# KiCad board bumwings_v001_xiao_s.kicad_pcb
title: BumWings_001; date: 2022-10-12; rev: v0.5; company: tubby.twins a.k.a. mschnoor
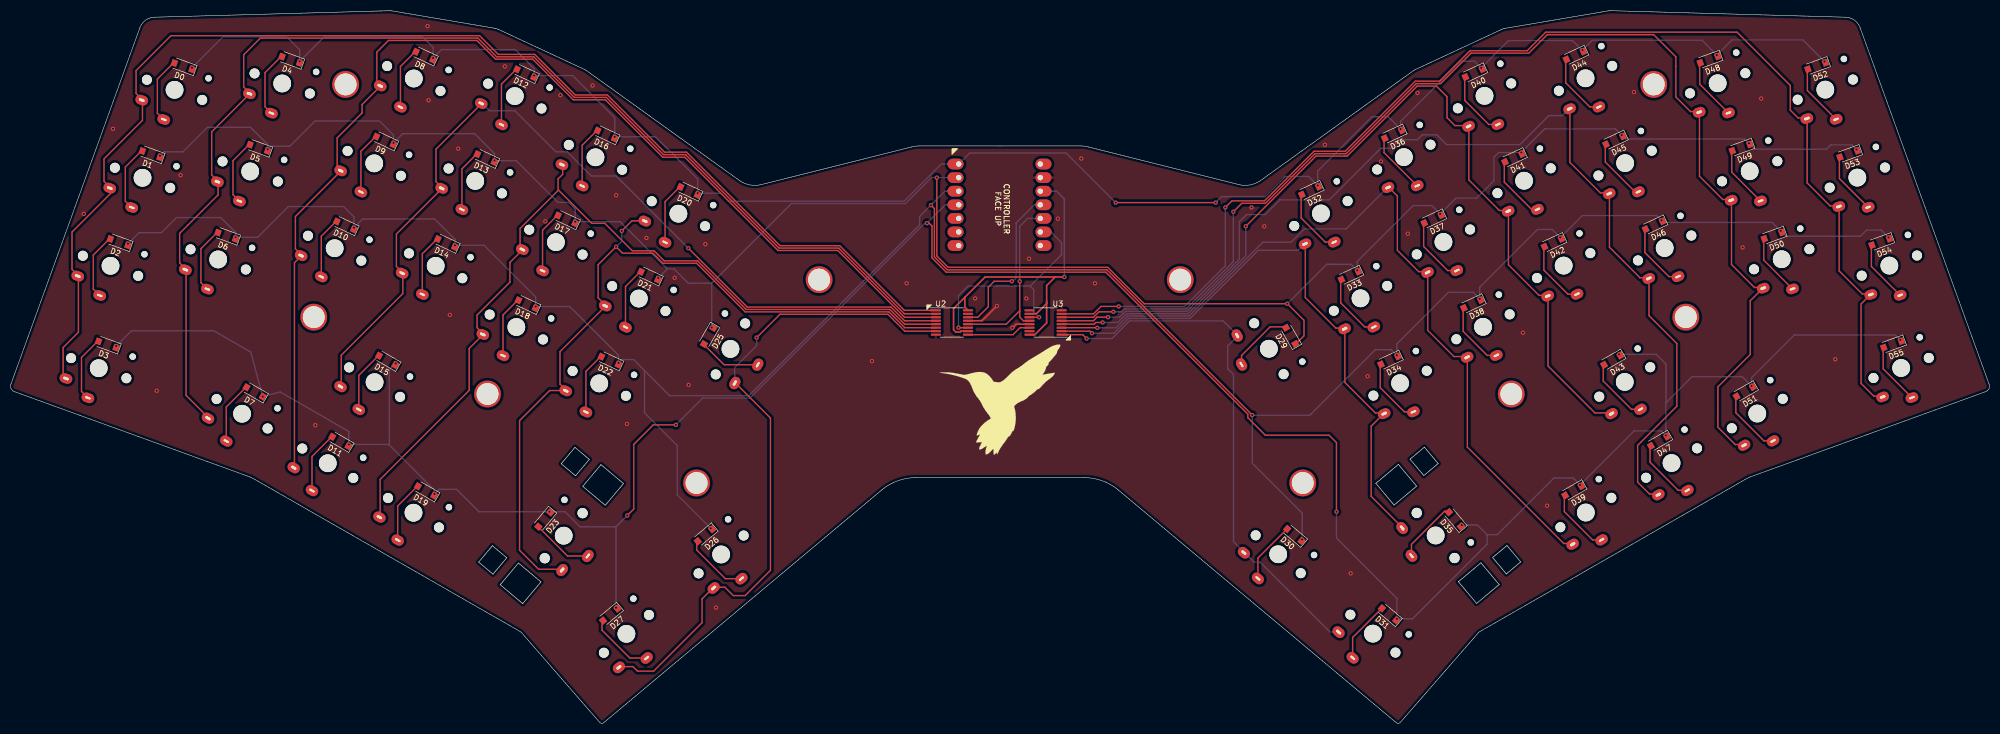
[diagram p0: board, top side]
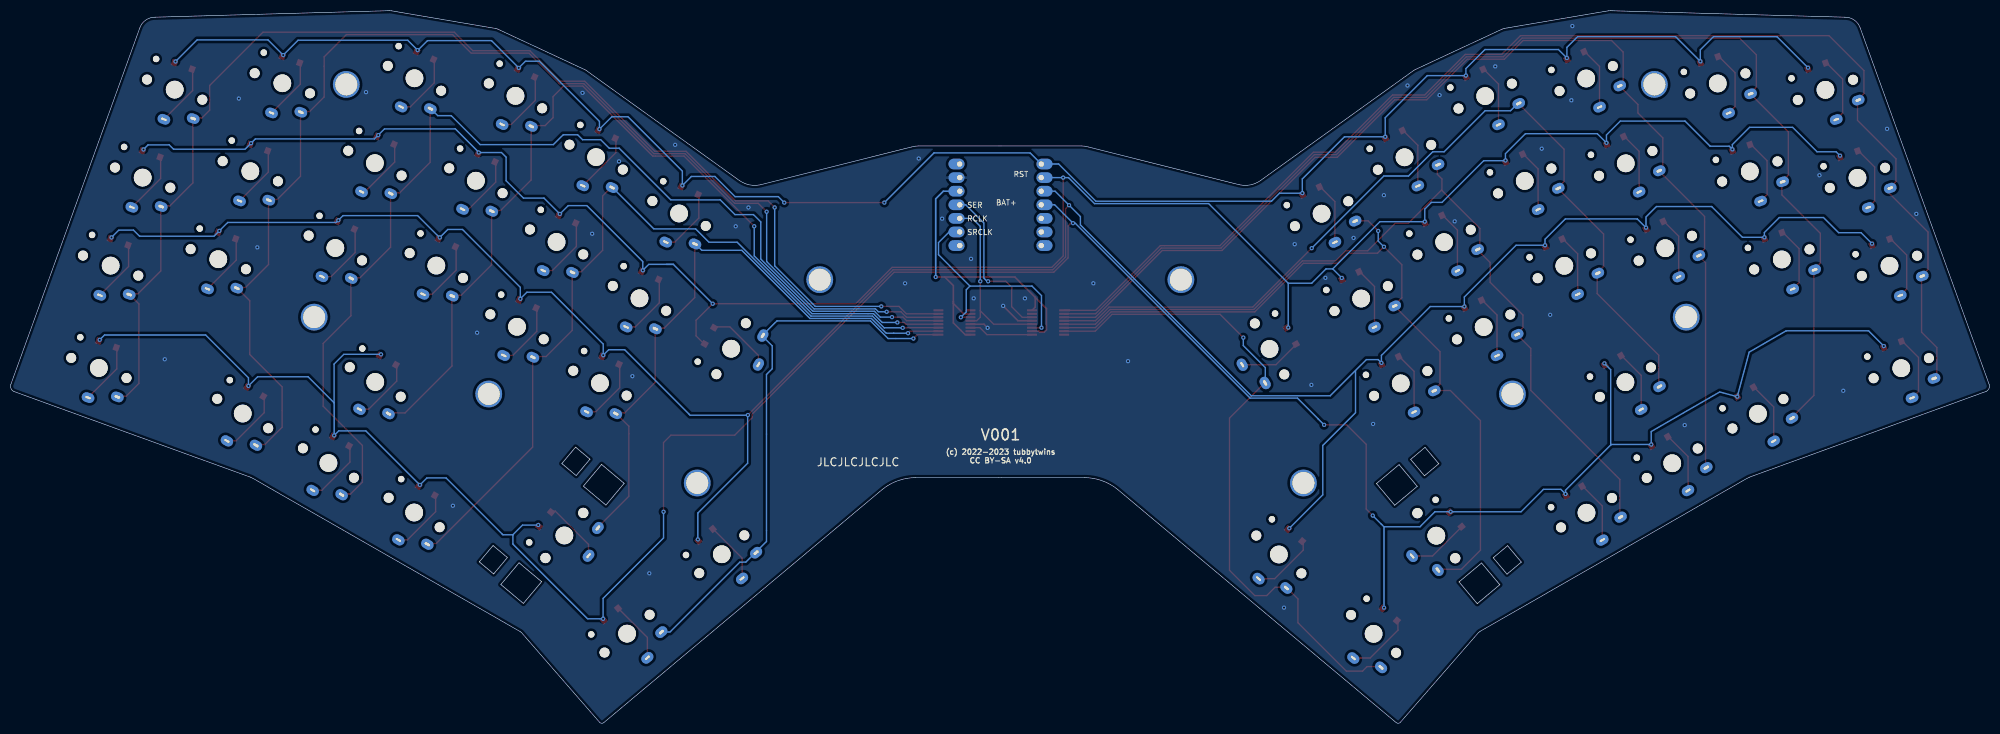
[diagram p1: board, bottom side, seen from below]

Outline 369.82 x 133.19 mm; copper layers: Top, Bottom. Coordinates in mm from the lower left corner of the outline.
Outline path: 0.61,62.02 arc(0.08,62.54) 0,63.27 24.13,129.97 arc(25.23,131.44) 26.99,131.98 70.81,133.19 arc(71,133.19) 71.18,133.17 90.57,129.89 arc(90.82,129.83) 91.07,129.74 107.3,122.18 arc(107.42,122.13) 107.53,122.06 136.25,101.42 arc(138.13,100.63) 140.17,100.66 168.37,107.72 arc(169.04,107.86) 169.72,107.92 184.72,107.92 185.1,107.92 200.1,107.92 arc(200.78,107.86) 201.45,107.72 229.65,100.66 arc(231.69,100.63) 233.57,101.42 262.29,122.06 arc(262.4,122.13) 262.52,122.18 278.75,129.74 arc(278.99,129.83) 279.25,129.89 298.64,133.17 arc(298.82,133.19) 299.01,133.19 342.83,131.98 arc(344.58,131.44) 345.69,129.97 369.82,63.27 arc(369.74,62.53) 369.21,62.02 325.04,46.02 arc(324.79,45.92) 324.55,45.79 274.61,17.16 arc(274.47,17.07) 274.35,16.96 259.75,0.19 arc(259.36,0) 258.95,0.14 206.94,43.68 arc(203.99,45.34) 200.66,45.92 185.1,45.92 184.72,45.92 169.16,45.92 arc(165.83,45.34) 162.88,43.68 110.87,0.14 arc(110.46,0) 110.07,0.19 95.47,16.96 arc(95.35,17.07) 95.21,17.16 45.27,45.79 arc(45.03,45.92) 44.78,46.02 0.61,62.02
Stack: Top 0.035mm / dielectric 1.51mm FR4 er 4.5 / Bottom 0.035mm

## Placement (name value [footprint] x y rotation side)
D0  D  [Diode_D_SOD-123]  32.23 122.82 160 top
D1  D  [Diode_D_SOD-123]  26.25 106.37 160 top
D2  D  [Diode_D_SOD-123]  20.26 89.93 160 top
D3  D  [Diode_D_SOD-123]  18.06 70.79 160 top
D4  D  [Diode_D_SOD-123]  52.35 124.01 160 top
D5  D  [Diode_D_SOD-123]  46.37 107.56 160 top
D6  D  [Diode_D_SOD-123]  40.38 91.12 160 top
D7  D  [Diode_D_SOD-123]  45.59 61.93 150 top
D8  D  [Diode_D_SOD-123]  77.33 124.78 155 top
D9  D  [Diode_D_SOD-123]  69.93 108.92 155 top
D10  D  [Diode_D_SOD-123]  62.54 93.06 155 top
D11  D  [Diode_D_SOD-123]  61.61 52.68 150 top
D12  D  [Diode_D_SOD-123]  96.21 121.49 155 top
D13  D  [Diode_D_SOD-123]  88.81 105.63 155 top
D14  D  [Diode_D_SOD-123]  81.42 89.77 155 top
D15  D  [Diode_D_SOD-123]  70.36 67.83 150 top
D16  D  [Diode_D_SOD-123]  111.29 110.05 155 top
D17  D  [Diode_D_SOD-123]  103.89 94.19 155 top
D18  D  [Diode_D_SOD-123]  96.49 78.33 155 top
D19  D  [Diode_D_SOD-123]  77.64 43.43 150 top
D20  D  [Diode_D_SOD-123]  126.78 99.51 155 top
D21  D  [Diode_D_SOD-123]  119.39 83.65 155 top
D22  D  [Diode_D_SOD-123]  111.99 67.79 155 top
D23  D  [Diode_D_SOD-123]  99.76 38.09 230 top
D25  D  [Diode_D_SOD-123]  130.47 72.39 240 top
D26  D  [Diode_D_SOD-123]  129.77 35.16 220 top
D27  D  [Diode_D_SOD-123]  112.06 20.32 220 top
D29  D  [Diode_D_SOD-123]  239.23 72.43 120 top
D30  D  [Diode_D_SOD-123]  239.93 35.2 140 top
D31  D  [Diode_D_SOD-123]  257.63 20.36 140 top
D32  D  [Diode_D_SOD-123]  242.91 99.55 205 top
D33  D  [Diode_D_SOD-123]  250.3 83.69 205 top
D34  D  [Diode_D_SOD-123]  257.7 67.83 205 top
D35  D  [Diode_D_SOD-123]  269.94 38.13 130 top
D36  D  [Diode_D_SOD-123]  258.41 110.09 205 top
D37  D  [Diode_D_SOD-123]  265.8 94.23 205 top
D38  D  [Diode_D_SOD-123]  273.2 78.37 205 top
D39  D  [Diode_D_SOD-123]  292.06 43.47 210 top
D40  D  [Diode_D_SOD-123]  273.48 121.53 205 top
D41  D  [Diode_D_SOD-123]  280.88 105.67 205 top
D42  D  [Diode_D_SOD-123]  288.28 89.81 205 top
D43  D  [Diode_D_SOD-123]  299.33 67.87 210 top
D44  D  [Diode_D_SOD-123]  292.36 124.82 205 top
D45  D  [Diode_D_SOD-123]  299.76 108.96 205 top
D46  D  [Diode_D_SOD-123]  307.16 93.1 205 top
D47  D  [Diode_D_SOD-123]  308.08 52.72 210 top
D48  D  [Diode_D_SOD-123]  317.44 124.05 200 top
D49  D  [Diode_D_SOD-123]  323.42 107.6 200 top
D50  D  [Diode_D_SOD-123]  329.41 91.16 200 top
D51  D  [Diode_D_SOD-123]  324.1 61.97 210 top
D52  D  [Diode_D_SOD-123]  337.56 122.86 200 top
D53  D  [Diode_D_SOD-123]  343.54 106.41 200 top
D54  D  [Diode_D_SOD-123]  349.53 89.97 200 top
D55  D  [Diode_D_SOD-123]  351.73 70.83 200 top
NOREF  -  [LEGO_HOLE]  280.47 61.55 0 top
NOREF#2  -  [LEGO_HOLE]  307.1 119.42 0 top
NOREF#3  -  [LEGO_HOLE]  151.1 82.92 0 top
NOREF#4  -  [LEGO_HOLE]  241.5 44.92 0 top
NOREF#5  -  [LEGO_HOLE]  313.1 75.92 0 top
NOREF#6  -  [LEGO_HOLE]  89.13 61.55 0 top
NOREF#7  -  [LEGO_HOLE]  128.2 44.92 0 top
NOREF#8  -  [LEGO_HOLE]  62.6 119.42 0 top
NOREF#9  -  [LEGO_HOLE]  218.6 82.92 0 top
NOREF#10  -  [LEGO_HOLE]  56.65 75.92 0 top
REF**  -  [OSHW-Symbol_6.7x6mm_mask]  184.8 60.82 0 top
SW0  SW_PUSH  [Kailh_PG1350_1u_solder]  30.63 118.4 340 top
SW1  SW_PUSH  [Kailh_PG1350_1u_solder]  24.64 101.96 340 top
SW2  SW_PUSH  [Kailh_PG1350_1u_solder]  18.66 85.51 340 top
SW3  SW_PUSH  [Kailh_PG1350_1.5u_solder]  16.45 66.38 340 top
SW4  SW_PUSH  [Kailh_PG1350_1u_solder]  50.75 119.59 340 top
SW5  SW_PUSH  [Kailh_PG1350_1u_solder]  44.76 103.15 340 top
SW6  SW_PUSH  [Kailh_PG1350_1u_solder]  38.78 86.7 340 top
SW7  SW_PUSH  [Kailh_PG1350_1u_solder]  43.24 57.86 330 top
SW8  SW_PUSH  [Kailh_PG1350_1u_solder]  75.34 120.52 335 top
SW9  SW_PUSH  [Kailh_PG1350_1u_solder]  67.95 104.66 335 top
SW10  SW_PUSH  [Kailh_PG1350_1u_solder]  60.55 88.8 335 top
SW11  SW_PUSH  [Kailh_PG1350_1u_solder]  59.26 48.61 330 top
SW12  SW_PUSH  [Kailh_PG1350_1u_solder]  94.22 117.23 335 top
SW13  SW_PUSH  [Kailh_PG1350_1u_solder]  86.83 101.37 335 top
SW14  SW_PUSH  [Kailh_PG1350_1u_solder]  79.43 85.51 335 top
SW15  SW_PUSH  [Kailh_PG1350_1u_solder]  68.01 63.76 330 top
SW16  SW_PUSH  [Kailh_PG1350_1u_solder]  109.3 105.79 335 top
SW17  SW_PUSH  [Kailh_PG1350_1u_solder]  101.9 89.93 335 top
SW18  SW_PUSH  [Kailh_PG1350_1u_solder]  94.51 74.07 335 top
SW19  SW_PUSH  [Kailh_PG1350_1u_solder]  75.29 39.36 330 top
SW20  SW_PUSH  [Kailh_PG1350_1u_solder]  124.8 95.25 335 top
SW21  SW_PUSH  [Kailh_PG1350_1u_solder]  117.4 79.39 335 top
SW22  SW_PUSH  [Kailh_PG1350_1u_solder]  110.01 63.53 335 top
SW23  SW_PUSH  [Kailh_PG1350_2u_stab_solder]  103.36 35.07 50 top
SW25  SW_PUSH  [Kailh_PG1350_1.5u_solder]  134.53 69.97 60 top
SW26  SW_PUSH  [Kailh_PG1350_1u_solder]  132.79 31.56 40 top
SW27  SW_PUSH  [Kailh_PG1350_1.5u_solder]  115.08 16.72 40 top
SW29  SW_PUSH  [Kailh_PG1350_1.5u_solder]  235.17 70.01 300 top
SW30  SW_PUSH  [Kailh_PG1350_1u_solder]  236.91 31.6 320 top
SW31  SW_PUSH  [Kailh_PG1350_1.5u_solder]  254.61 16.76 320 top
SW32  SW_PUSH  [Kailh_PG1350_1u_solder]  244.9 95.29 25 top
SW33  SW_PUSH  [Kailh_PG1350_1u_solder]  252.29 79.43 25 top
SW34  SW_PUSH  [Kailh_PG1350_1u_solder]  259.69 63.57 25 top
SW35  SW_PUSH  [Kailh_PG1350_2u_stab_solder]  266.34 35.11 310 top
SW36  SW_PUSH  [Kailh_PG1350_1u_solder]  260.39 105.83 25 top
SW37  SW_PUSH  [Kailh_PG1350_1u_solder]  267.79 89.97 25 top
SW38  SW_PUSH  [Kailh_PG1350_1u_solder]  275.19 74.11 25 top
SW39  SW_PUSH  [Kailh_PG1350_1u_solder]  294.41 39.4 30 top
SW40  SW_PUSH  [Kailh_PG1350_1u_solder]  275.47 117.27 25 top
SW41  SW_PUSH  [Kailh_PG1350_1u_solder]  282.87 101.41 25 top
SW42  SW_PUSH  [Kailh_PG1350_1u_solder]  290.26 85.55 25 top
SW43  SW_PUSH  [Kailh_PG1350_1u_solder]  301.68 63.8 30 top
SW44  SW_PUSH  [Kailh_PG1350_1u_solder]  294.35 120.56 25 top
SW45  SW_PUSH  [Kailh_PG1350_1u_solder]  301.75 104.7 25 top
SW46  SW_PUSH  [Kailh_PG1350_1u_solder]  309.14 88.84 25 top
SW47  SW_PUSH  [Kailh_PG1350_1u_solder]  310.43 48.65 30 top
SW48  SW_PUSH  [Kailh_PG1350_1u_solder]  319.05 119.63 20 top
SW49  SW_PUSH  [Kailh_PG1350_1u_solder]  325.03 103.19 20 top
SW50  SW_PUSH  [Kailh_PG1350_1u_solder]  331.02 86.74 20 top
SW51  SW_PUSH  [Kailh_PG1350_1u_solder]  326.45 57.9 30 top
SW52  SW_PUSH  [Kailh_PG1350_1u_solder]  339.17 118.44 20 top
SW53  SW_PUSH  [Kailh_PG1350_1u_solder]  345.15 102 20 top
SW54  SW_PUSH  [Kailh_PG1350_1u_solder]  351.14 85.55 20 top
SW55  SW_PUSH  [Kailh_PG1350_1.5u_solder]  353.34 66.41 20 top
U1  SeeeduinoXIAO  [SeeeduinoXIAO_simple-2.54-21X17.8MM]  175.93 86.42 0 top
U2  74HC595  [TSSOP-16_4.4x5mm_P0.65mm]  175.93 74.92 0 top
U3  74HC595  [TSSOP-16_4.4x5mm_P0.65mm]  193.43 74.92 180 top

## Footprints (pads in the part's own frame, mm; a bottom-side part is the same pattern mirrored in y, then rotated)
Diode_D_SOD-123
  rect 1.1x1.2 smd: 1(-1.75,0) 2(1.75,0)
Kailh_PG1350_1.5u_solder
  round 1.85 hole 1.85 unplated: (-5.5,0) (5.5,0)
  round 3.3 hole 3.3 unplated: (0,0)
  round 1.2 hole 1.2 unplated: (5.22,4.2)
  oval 2.4x1.8 hole 1.1x0.5: 1(-5.1,-3.9)
  oval 2.4x1.8 hole 1.1x0.4: 2(0,-5.9)
Kailh_PG1350_1u_solder
  round 1.85 hole 1.85 unplated: (-5.5,0) (5.5,0)
  round 3.3 hole 3.3 unplated: (0,0)
  round 1.2 hole 1.2 unplated: (5.22,4.2)
  oval 2.4x1.8 hole 1.1x0.5: 1(-5.1,-3.9)
  oval 2.4x1.8 hole 1.1x0.4: 2(0,-5.9)
Kailh_PG1350_2u_stab_solder
  round 1.9 hole 1.9 unplated: (-5.5,0) (5.5,0)
  round 3.3 hole 3.3 unplated: (0,0)
  round 1.2 hole 1.2 unplated: (5.22,4.2)
  oval 2.4x1.8 hole 1.1x0.5: 1(-5.1,-3.9)
  oval 2.4x1.8 hole 1.1x0.4: 2(0,-5.9)
LEGO_HOLE
  round 5 hole 4.1: (0,0)
SeeeduinoXIAO_simple-2.54-21X17.8MM
  oval 3x1.999 hole 1: 1(1.27,18.118) 2(1.27,15.578) 3(1.27,13.038) 4(1.27,10.498) 5(1.27,7.958) 6(1.27,5.418) 7(1.27,2.878) 8(16.51,2.878) 9(16.51,5.418) 10(16.51,7.958) 11(16.51,10.498) 12(16.51,13.038) 13(16.51,15.578) 14(16.51,18.118)
TSSOP-16_4.4x5mm_P0.65mm
  rrect 2.075x0.4 smd: 1(-3.1,2.275)
  rrect 1.875x0.4 smd: 2(-3,1.625) 3(-3,0.975) 4(-3,0.325) 5(-3,-0.325) 6(-3,-0.975) 7(-3,-1.625) 8(-3,-2.275) 9(3,-2.275) 10(3,-1.625) 11(3,-0.975) 12(3,-0.325) 13(3,0.325) 14(3,0.975) 15(3,1.625) 16(3,2.275)

## Nets
GND: U1.13 U2.8 U2.13 U3.8 U3.13
VCC: U1.12 U2.10 U2.16 U3.10 U3.16
col_Li1: SW16.1 SW17.1 SW18.1 SW19.1 U2.5
col_Li2: SW20.1 SW21.1 SW22.1 SW23.1 U2.6
col_Lm: SW12.1 SW13.1 SW14.1 SW15.1 U2.4
col_Lp1: SW4.1 SW5.1 SW6.1 SW7.1 U2.2
col_Lp2: SW0.1 SW1.1 SW2.1 SW3.1 U2.1
col_Lr: SW8.1 SW9.1 SW10.1 SW11.1 U2.3
col_Lt: SW25.1 SW26.1 SW27.1 U2.7
col_Ri1: SW36.1 SW37.1 SW38.1 SW39.1 U3.3
col_Ri2: SW32.1 SW33.1 SW34.1 SW35.1 U3.2
col_Rm: SW40.1 SW41.1 SW42.1 SW43.1 U3.4
col_Rp1: SW48.1 SW49.1 SW50.1 SW51.1 U3.6
col_Rp2: SW52.1 SW53.1 SW54.1 SW55.1 U3.7
col_Rr: SW44.1 SW45.1 SW46.1 SW47.1 U3.5
col_Rt: SW29.1 SW30.1 SW31.1 U3.1
MISO: U1.10 U2.12 U3.12
MOSI: U1.11 U2.14
row_dn: D2.1 D6.1 D10.1 D14.1 D18.1 D22.1 D26.1 D30.1 D34.1 D38.1 D42.1 D46.1 D50.1 D54.1 U1.3
row_home: D1.1 D5.1 D9.1 D13.1 D17.1 D21.1 D25.1 D29.1 D33.1 D37.1 D41.1 D45.1 D49.1 D53.1 U1.2
row_mod: D3.1 D7.1 D11.1 D15.1 D19.1 D23.1 D27.1 D31.1 D35.1 D39.1 D43.1 D47.1 D51.1 D55.1 U1.4
row_up: D0.1 D4.1 D8.1 D12.1 D16.1 D20.1 D32.1 D36.1 D40.1 D44.1 D48.1 D52.1 U1.1
SCK: U1.9 U2.11 U3.11
X_U2_U3: U2.9 U3.14
Net-(D0-Pad2): D0.2 SW0.2
Net-(D1-Pad2): D1.2 SW1.2
Net-(D2-Pad2): D2.2 SW2.2
Net-(D3-Pad2): D3.2 SW3.2
Net-(D4-Pad2): D4.2 SW4.2
Net-(D5-Pad2): D5.2 SW5.2
Net-(D6-Pad2): D6.2 SW6.2
Net-(D7-Pad2): D7.2 SW7.2
Net-(D8-Pad2): D8.2 SW8.2
Net-(D9-Pad2): D9.2 SW9.2
Net-(D10-Pad2): D10.2 SW10.2
Net-(D11-Pad2): D11.2 SW11.2
Net-(D12-Pad2): D12.2 SW12.2
Net-(D13-Pad2): D13.2 SW13.2
Net-(D14-Pad2): D14.2 SW14.2
Net-(D15-Pad2): D15.2 SW15.2
Net-(D16-Pad2): D16.2 SW16.2
Net-(D17-Pad2): D17.2 SW17.2
Net-(D18-Pad2): D18.2 SW18.2
Net-(D19-Pad2): D19.2 SW19.2
Net-(D20-Pad2): D20.2 SW20.2
Net-(D21-Pad2): D21.2 SW21.2
Net-(D22-Pad2): D22.2 SW22.2
Net-(D23-Pad2): D23.2 SW23.2
Net-(D25-Pad2): D25.2 SW25.2
Net-(D26-Pad2): D26.2 SW26.2
Net-(D27-Pad2): D27.2 SW27.2
Net-(D29-Pad2): D29.2 SW29.2
Net-(D30-Pad2): D30.2 SW30.2
Net-(D31-Pad2): D31.2 SW31.2
Net-(D32-Pad2): D32.2 SW32.2
Net-(D33-Pad2): D33.2 SW33.2
Net-(D34-Pad2): D34.2 SW34.2
Net-(D35-Pad2): D35.2 SW35.2
Net-(D36-Pad2): D36.2 SW36.2
Net-(D37-Pad2): D37.2 SW37.2
Net-(D38-Pad2): D38.2 SW38.2
Net-(D39-Pad2): D39.2 SW39.2
Net-(D40-Pad2): D40.2 SW40.2
Net-(D41-Pad2): D41.2 SW41.2
Net-(D42-Pad2): D42.2 SW42.2
Net-(D43-Pad2): D43.2 SW43.2
Net-(D44-Pad2): D44.2 SW44.2
Net-(D45-Pad2): D45.2 SW45.2
Net-(D46-Pad2): D46.2 SW46.2
Net-(D47-Pad2): D47.2 SW47.2
Net-(D48-Pad2): D48.2 SW48.2
Net-(D49-Pad2): D49.2 SW49.2
Net-(D50-Pad2): D50.2 SW50.2
Net-(D51-Pad2): D51.2 SW51.2
Net-(D52-Pad2): D52.2 SW52.2
Net-(D53-Pad2): D53.2 SW53.2
Net-(D54-Pad2): D54.2 SW54.2
Net-(SW55-Pad2): D55.2 SW55.2

Pads without a net: U1 5 6 7 8 14; U2 15; U3 9 15

## Via types
v1: diameter 0.8, hole 0.4, Top to Bottom, 126 vias

## Routing (per net, layer and track width the routed paths; a pad name or vN(x,y) marks a point on that pad's centre or on a via; arc(x,y) is an arc through that point)
GND: length 10
  Top w0.3: v1(184.33,78.02) 181.55,75.24 U2.13 ; v1(187.23,73.92) 187.9,74.59 U3.13
  vias: v1(13.65,95.21) v1(19.11,111.11) v1(27.3,62.15) v1(31.75,102.44) v1(56.93,55.73) v1(77.93,130.32) v1(78.11,116.45) v1(82.08,76.34) v1(83.65,107.4) v1(92.35,122.78) v1(99.93,93.82) v1(102.76,117.42) v1(108.75,119.2) v1(113.16,98.71) v1(115.18,55.95) v1(118.83,90.72) v1(124.09,83.26) v1(126.71,63.25) v1(129.83,89.55) v1(131.83,21.62) v1(160.98,67.7) v1(167.46,82.24) v1(180.25,79.42) v1(189.83,79.42) v1(190.33,86.82) v1(195.73,94.32) v1(200.1,105.56) v1(202.66,82.24) v1(231.93,96.42) v1(234.3,92.9) v1(245.63,108.12) v1(250.46,28.03) v1(253.62,64.88) v1(256.12,105.02) v1(261.14,91.5) v1(262.94,117.84) v1(282.65,73) v1(287.17,40.66) v1(303.41,117.98) v1(323.72,88.95) v1(327.18,116.77) v1(341.02,68.04)
VCC: length 70.2
  Top w0.3: 195.23,83.42 189.6,83.42 182.13,83.42 178.34,79.63 ; 195.23,83.42 193.63,81.82 193.63,78.85 ; 195.23,83.42 v1(196.93,83.42) ; 193.63,78.85 193.63,78.47 191.7,76.54 U3.10 ; 193.63,78.85 193.63,74.85 191.42,72.64 U3.16 ; 178.34,79.63 176.23,77.52 176.23,73.55 176.65,73.12 177.46,73.12 177.63,73.29 U2.10 ; 178.34,79.63 178.34,77.78 U2.16
  Bottom w0.3: U1.12 195.49,99.46 196.93,98.02 v1(196.93,83.42)
col_Li1: length 162.5
  Top w0.25: 102.31,99.59 102.38,99.67 108.6,93.45 111.05,93.45 116.18,88.32 120.25,88.32 122.13,86.44 128.38,86.44 137.47,77.35 164.33,77.35 167.09,74.59 U2.5 ; 102.31,99.59 102.31,101.75 103.16,102.6 103.16,104.46 ; 102.31,99.59 95.21,92.49 95.21,89.16 95.77,88.6 93.31,86.14 93.31,82.45 87.17,76.31 87.17,73.94 88.37,72.74 85.7,70.07 85.7,68.78 85.7,62.23 69.91,46.44 69.06,45.59 69.06,38.57
col_Li2: length 152.3
  Top w0.25: 118.66,93.92 116.11,93.92 v1(114.22,92.03) ; 103.05,28.8 98.66,28.8 95.11,32.35 95.11,56.58 100.73,62.2 103.87,62.2 102.67,63.4 102.67,69.47 111.27,78.06 109.8,79.53 109.8,85.72 v1(113.15,89.07) 114.35,87.87 120.03,87.87 121.91,85.99 128.2,85.99 137.29,76.9 164.14,76.9 167.1,73.94 U2.6
  Bottom w0.25: v1(113.15,89.07) 114.22,90.14 v1(114.22,92.03)
col_Lm: length 167.5
  Top w0.25: v1(126.65,88.81) 137.66,77.8 164.52,77.8 167.07,75.24 167.45,75.24 U2.4 ; 88.09,115.9 79.49,107.31 79.49,101.24 80.69,100.04 72.09,91.45 72.09,85.38 73.29,84.18 73.29,80.32 61.78,68.81 61.78,62.97
  Bottom w0.25: 88.09,115.9 89.49,114.5 94.23,114.5 101.91,106.82 104.03,106.82 108.55,102.3 113.16,102.3 v1(126.65,88.81)
col_Lp1: length 229.1
  Top w0.25: U2.2 167.05,76.54 154.76,88.83 143.6,88.83 126.14,106.29 122.03,106.29 111.33,116.99 105.34,116.99 97.75,124.58 90.82,124.58 87.32,128.08 46.67,128.08 43.55,124.96 43.55,118.93 44.75,117.73 37.56,110.55 37.56,102.49 38.76,101.29 38.76,98.77 33.17,93.18 31.58,91.58 31.58,86.04 32.78,84.84 32.78,61.3 37.01,57.07
col_Lp2: length 239.8
  Top w0.25: U2.1 167.03,77.19 154.95,89.28 143.79,89.28 126.32,106.74 122.23,106.74 111.53,117.44 105.52,117.44 97.93,125.03 91.13,125.03 87.63,128.53 29.96,128.53 23.43,122 23.43,117.74 24.63,116.54 24.63,112.7 17.44,105.51 17.44,101.3 18.64,100.1 18.64,99.01 11.46,91.83 11.46,84.85 12.66,83.65 12.66,73.1 9.8,70.24 9.8,65.17 10.45,64.51
col_Lr: length 213.1
  Top w0.25: U2.3 167.06,75.89 154.58,88.38 143.42,88.38 126,105.79 121.89,105.79 111.14,116.54 105.15,116.54 97.56,124.13 90.63,124.13 87.13,127.63 70.61,127.63 68.44,125.46 68.44,119.96 69.21,119.19 65.67,115.66 65.67,114.08 61.02,109.43 61.02,104.12 61.81,103.33 53.21,94.73 53.21,88.67 54.41,87.47 53.03,86.09 53.03,47.82
col_Lt: length 125
  Top w0.25: U2.7 167.11,73.29 163.96,76.45 143.78,76.45 v1(139.43,72.1) ; 113.69,10.6 116.3,10.6 117.15,9.75 120.16,9.75 129.22,18.8 129.22,23.25 131.4,25.43 133.49,25.43 135.05,23.87 137.28,23.87 142.01,28.6 142.01,57.05 135.32,63.74
  Bottom w0.25: v1(139.43,72.1) 139.43,70.6 135.32,66.48 135.32,63.74
col_Ri1: length 156.4
  Top w0.25: v1(203.1,73.92) 203.07,73.94 U3.3 ; 291.98,33.61 290.28,33.61 272.26,51.63 272.26,68.55 269.75,68.55 264.86,73.43 264.86,84.41 263.17,84.41 259.18,88.4 259.18,98.56 257.47,100.27
  Bottom w0.25: v1(203.1,73.92) 206.55,73.92 208.75,76.12 220.24,76.12 234.04,89.92 239.3,89.92 241.8,92.42 249.62,92.42 257.47,100.27
col_Ri2: length 117.5
  Top w0.25: 241.97,89.74 241.97,79.57 247.67,73.88 249.37,73.88 249.37,63.71 255.06,58.02 256.76,58.02 254.28,55.53 254.28,54.1 254.28,42.43 260.21,36.49 ; U3.2 201.72,73.29 v1(202.1,72.92)
  Bottom w0.25: 241.97,89.74 240.63,88.4 233.16,88.4 220.42,75.67 208.94,75.67 206.19,72.92 v1(202.1,72.92)
col_Rm: length 171.8
  Top w0.25: v1(204.1,74.92) 202.83,74.92 202.5,74.59 U3.4 ; 299.25,58.01 296.11,58.01 287.34,66.79 287.34,80 285.64,80 279.94,85.69 279.94,95.86 278.24,95.86 272.54,101.56 272.54,111.72 269.93,111.72 268.45,113.2 268.45,117.12 266.46,119.11 262.89,119.11 249.8,106.02 249.33,106.02 243.97,106.02 v1(230.85,92.9)
  Bottom w0.25: v1(230.85,92.9) 230.85,87.37 220.05,76.57 209.6,76.57 208.56,76.57 206.91,74.92 v1(204.1,74.92)
col_Rp1: length 232.6
  Top w0.25: v1(206.1,76.92) 203.41,76.92 202.39,75.89 U3.6 ; v1(228.53,95.62) 230.1,97.2 234.51,97.2 243.78,106.47 249.61,106.47 262.7,119.56 267.25,119.56 272.95,125.26 283.74,125.26 287.2,128.72 307.08,128.72 311.23,124.57 311.23,117.07 313.95,114.35 315.65,114.35 315.65,102.25 319.99,97.91 321.63,97.91 321.63,85.75 325.92,81.46 327.62,81.46 325.14,78.98 325.14,69.21 325.14,68.94 319.09,62.89 319.09,55.34 322.32,52.11 324.02,52.11
  Bottom w0.25: v1(228.53,95.62) 228.53,86.32 219.68,77.47 208.19,77.47 207.64,76.92 v1(206.1,76.92)
col_Rp2: length 239.3
  Top w0.25: v1(207.1,77.92) 203.78,77.92 202.4,76.54 U3.7 ; v1(227.03,96.42) 228.25,97.65 234.32,97.65 243.6,106.92 249.43,106.92 262.52,120.01 267.07,120.01 272.77,125.71 283.44,125.71 286.9,129.17 322.68,129.17 332.63,119.22 332.63,114.6 334.07,113.16 335.77,113.16 335.77,101 340.06,96.72 341.75,96.72 341.75,84.56 346.04,80.27 347.74,80.27 345.86,78.39 345.86,63.52 348.25,61.13 349.94,61.13
  Bottom w0.25: v1(207.1,77.92) 219.43,77.92 227.03,85.52 v1(227.03,96.42)
col_Rr: length 205.1
  Top w0.25: 291.42,115 291.42,104.84 297.12,99.14 298.82,99.14 298.82,88.98 304.52,83.28 306.22,83.28 306.22,76.19 311.42,70.99 311.42,59.27 304.64,52.49 304.08,51.94 304.08,45.08 306.3,42.86 308,42.86 ; v1(205.1,75.92) 203.05,75.92 202.38,75.24 U3.5
  Bottom w0.25: v1(205.1,75.92) 207.28,75.92 208.38,77.02 219.86,77.02 229.63,86.78 229.63,93.72 230.99,95.08 234.44,95.08 237.19,97.83 246.43,97.83 256.09,107.49 257.95,107.49 259.54,109.08 262.93,109.08 263.85,110 266.55,110 268.38,108.17 282.08,108.17 287.49,113.58 290,113.58 291.42,115
col_Rt: length 102.2
  Top w0.25: v1(201.1,71.92) 200.37,72.64 U3.1
  Bottom w0.25: v1(201.1,71.92) 205.82,71.92 209.12,75.22 226.6,75.22 229.38,72.44 227.48,70.54 227.48,66.27 228.55,65.19 228.55,54.04 228.55,36.02 228.55,33.98 230.63,31.9 232.41,30.12 233.53,30.12 246.59,17.06 248.34,17.06
MISO: length 34.3
  Top w0.25: U2.12 186.08,74.59 188.6,77.12 ; 188.6,77.12 188.6,82.62 ; 188.6,77.12 188.6,75.9 189.26,75.24 U3.12
  Bottom w0.25: U1.10 190.08,94.38 188.6,92.89 188.6,82.62
  vias: v1(188.6,82.62)
MOSI: length 30.4
  Top w0.25: v1(187.13,82.62) 183.83,82.62 182.73,81.52 182.73,77.87 180.75,75.89 U2.14
  Bottom w0.25: v1(187.13,82.62) 187.33,82.62 187.93,83.22 187.93,93.52 191.32,96.92 U1.11
row_dn: length 484.6
  Top w0.25: v1(232.03,57.62) 204.88,84.77 197.68,84.77 175.04,84.77 172.65,87.16 172.65,96.2 v1(172,96.85)
  Bottom w0.25: v1(21.92,89.65) 23.98,91.71 28.17,91.71 30.99,94.53 39.25,94.53 42.04,91.74 v1(42.04,90.84) 46.14,90.84 51.9,96.59 62.22,96.59 64.16,94.65 v1(64.16,92.63) 65.8,94.27 79.25,94.27 83.04,90.48 v1(83.04,89.35) 88.45,89.35 98.12,79.68 v1(98.12,77.9) 104.47,77.9 113.62,68.76 v1(113.62,67.37) 114.23,67.99 116.42,67.99 118.46,65.94 ; v1(241.39,34.37) 241.39,39.29 232.08,48.6 232.08,57.57 242.81,57.57 242.99,57.75 255.07,69.83 258.04,69.83 v1(259.07,68.8) 259.07,70.89 268.75,80.57 273.34,80.57 v1(274.57,79.34) 274.57,81.5 285.37,92.3 288.13,92.3 v1(289.62,90.81) 289.64,90.78 293.76,94.9 307.69,94.9 v1(308.58,94.02) 308.98,93.62 329.25,93.62 v1(330.82,92.04) 331.82,91.05 345.73,91.05 346.87,92.18 349.61,92.18 v1(350.98,90.82) ; v1(130.84,36.45) 124.58,42.7 124.58,51.93 118.46,58.05 118.46,65.94 ; 118.46,65.94 123.18,61.22 137.96,61.22 169.88,93.15 169.88,94.72 v1(172,96.85) 174.61,99.46 U1.3
row_home: length 414.1
  Top w0.25: 240.36,71.06 241.73,72.43 241.73,75.32 238.63,78.42 v1(238.6,78.42) 211.86,78.42 205.06,85.22 175.23,85.22 173.1,87.35 v1(173.1,102)
  Bottom w0.25: 122.72,84.94 123.97,84.94 126.65,82.25 131.03,82.25 ; 122.72,84.94 113.9,93.76 v1(105.51,93.76) 105.51,96.12 104.27,97.36 102.29,97.36 94.48,105.17 90.53,105.17 ; 122.72,84.94 v1(121.03,83.24) ; 131.03,82.25 v1(131.03,73.97) ; 131.03,82.25 145.91,97.14 167.24,97.14 172.1,102 U1.2 ; v1(238.6,78.42) 245.96,85.78 247.27,85.78 ; v1(344.99,107.26) 344.13,108.12 340.2,108.12 339.39,107.31 326.02,107.31 v1(324.9,108.42) 324.09,109.23 301.83,109.23 v1(301.12,109.94) 299.95,111.11 286.72,111.11 282.25,106.64 ; v1(27.9,106.09) 28.63,106.82 32.19,106.82 36.76,111.39 44.82,111.39 48.02,108.19 v1(48.02,107.28) 48.6,107.86 52.17,107.86 56.87,112.56 68.96,112.56 71.56,109.96 v1(71.56,108.5) 73.27,110.21 86.7,110.21 90.44,106.47 v1(90.44,105.21) ; 247.27,85.78 250.55,85.78 v1(251.67,84.66) 251.67,86.31 262.13,96.76 265.61,96.76 v1(267.17,95.2) 270.13,98.16 273.97,98.16 277.22,101.41 277.22,105.81 278.09,106.68 v1(282.34,106.68) ; 247.27,85.78 245.92,85.78
row_mod: length 523.5
  Top w0.25: v1(124.33,55.78) 120.1,55.78 116.46,52.14 116.46,40.05 v1(115.24,38.83) ; v1(171.26,93.49) 171.66,93.49 172.2,92.95 172.2,86.98 174.86,84.32 204.69,84.32 231.23,57.78 231.23,57.12 234.5,53.85 246.42,53.85 247.8,52.47 v1(247.8,39.54)
  Bottom w0.25: 309.36,59.89 v1(309.36,53.8) 308.5,54.66 303.45,54.66 v1(293.34,44.55) 292.03,45.86 288.44,45.86 277.82,35.25 275.95,35.25 ; 309.36,59.89 314.25,64.78 323.65,64.78 v1(325.38,63.05) 325.38,64.58 333.38,72.58 352.28,72.58 v1(353.18,71.68) ; 309.36,59.89 309.38,59.91 309.38,67.14 307.56,68.96 v1(300.61,68.96) ; 70.77,52 70.77,66.1 v1(71.94,67.27) ; 70.77,52 70.66,52.11 v1(63.19,52.11) 63.19,54.54 50.38,61.93 v1(47.11,61.05) 44.88,69.37 37.97,73.36 22.56,73.36 v1(19.71,70.51) ; 70.77,52 79.21,43.56 v1(79.21,42.86) 80.08,43.73 83.33,43.73 87.51,39.55 100.59,39.55 v1(100.68,39.55) 103.6,39.55 106.18,36.97 106.42,36.72 113.13,36.72 ; 113.13,36.72 113.63,37.22 v1(115.24,38.83) ; 113.13,36.72 v1(113.13,21.61) ; 275.95,35.25 274.14,37.06 v1(271.23,37.06) ; 275.95,35.25 275.95,33.5 275.85,33.4 261.99,19.53 v1(259.09,19.53) 259.09,23.35 247.8,34.64 v1(247.8,39.54) ; U1.4 174.69,96.92 v1(171.26,93.49) 170.85,93.49 138.14,60.77 129.31,60.77 125.47,56.94 125.47,56.92 v1(124.33,55.78)
row_up: length 364.7
  Top w0.25: v1(206.53,97.32) v1(225.23,97.32)
  Bottom w0.25: v1(339.01,123.7) 334.97,127.74 321.73,127.74 v1(318.89,124.89) 316.11,127.67 295.61,127.67 v1(293.77,125.83) 293.73,125.79 291.92,127.6 279.95,127.6 v1(274.85,122.5) 273.61,123.75 271.02,123.75 259.78,112.51 v1(259.78,111.06) 257.46,113.38 254.45,113.38 244.28,103.21 v1(244.28,100.52) 242.59,102.21 238.2,102.21 234.43,98.44 226.35,98.44 v1(225.23,97.32) ; v1(206.53,97.32) 197.25,106.6 179.27,106.6 U1.1 173.94,104.54 166.99,97.59 134.16,97.59 132.66,99.09 v1(128.41,99.09) 128.41,101.74 120.52,109.63 v1(112.91,109.63) 112.91,113.2 105.04,121.07 v1(97.83,121.07) 97.83,122.37 94.26,125.94 80.54,125.94 v1(78.95,124.36) 78.95,126.34 76.95,128.34 58.62,128.34 v1(54.01,123.73) 54.01,125.89 51.56,128.34 39.69,128.34 v1(33.89,122.54)
SCK: length 45.6
  Top w0.25: U2.11 v1(177.15,73.94) ; U3.11 v1(192.23,75.89)
  Bottom w0.25: v1(192.23,75.89) 191.21,76.91 191.21,81.04 190.53,81.72 ; v1(177.15,73.94) 177.15,79.95 178.93,81.72 190.53,81.72 ; U1.9 194.41,91.84 196.4,89.85 196.4,87.6 190.53,81.72
X_U2_U3: length 12
  Top w0.25: U3.14 188.65,73.94 187.35,72.64 U2.9
Net-(D0-Pad2): length 12.7
  Top w0.25: 30.69,123.7 27.41,120.42 27.41,114.06 SW0.2
Net-(D1-Pad2): length 12.7
  Top w0.25: 24.71,107.25 21.42,103.97 21.42,97.61 SW1.2
Net-(D2-Pad2): length 12.7
  Top w0.25: SW2.2 15.44,81.17 15.44,87.53 18.72,90.81
Net-(D3-Pad2): length 12.7
  Top w0.25: SW3.2 13.23,62.03 13.23,68.39 16.52,71.67
Net-(D4-Pad2): length 12.7
  Top w0.25: SW4.2 47.53,115.25 47.53,121.61 50.81,124.89
Net-(D5-Pad2): length 12.7
  Top w0.25: 44.83,108.44 41.54,105.16 41.54,98.8 SW5.2
Net-(D6-Pad2): length 12.7
  Top w0.25: 38.84,92 35.56,88.72 35.56,82.36 SW6.2
Net-(D7-Pad2): length 11.9
  Top w0.25: SW7.2 40.29,59.13 44.23,63.06
Net-(D8-Pad2): length 11.9
  Top w0.25: SW8.2 72.85,122.77 75.87,125.79
Net-(D9-Pad2): length 11.9
  Top w0.25: 68.48,109.93 65.45,106.91 SW9.2
Net-(D10-Pad2): length 11.9
  Top w0.25: SW10.2 58.06,91.05 61.08,94.07
Net-(D11-Pad2): length 11.9
  Top w0.25: 60.25,53.81 56.31,49.88 SW11.2
Net-(D12-Pad2): length 11.9
  Top w0.25: SW12.2 91.73,119.49 94.75,122.51
Net-(D13-Pad2): length 11.9
  Top w0.25: 87.35,106.65 84.33,103.62 SW13.2
Net-(D14-Pad2): length 11.9
  Top w0.25: SW14.2 76.94,87.76 79.96,90.78
Net-(D15-Pad2): length 11.9
  Top w0.25: 69,68.97 65.06,65.04 SW15.2
Net-(D16-Pad2): length 11.9
  Top w0.25: 109.83,111.06 106.81,108.04 SW16.2
Net-(D17-Pad2): length 11.9
  Top w0.25: SW17.2 99.41,92.18 102.43,95.2
Net-(D18-Pad2): length 11.9
  Top w0.25: 95.04,79.34 92.01,76.32 SW18.2
Net-(D19-Pad2): length 11.9
  Top w0.25: 76.27,44.56 72.34,40.63 SW19.2
Net-(D20-Pad2): length 11.9
  Top w0.25: SW20.2 122.31,97.5 125.33,100.52
Net-(D21-Pad2): length 11.9
  Top w0.25: SW21.2 114.91,81.64 117.93,84.66
Net-(D22-Pad2): length 11.9
  Top w0.25: SW22.2 107.51,65.78 110.53,68.8
Net-(D23-Pad2): length 11.8
  Top w0.25: SW23.2 104.07,31.28 98.4,36.94
Net-(D25-Pad2): length 12
  Top w0.25: SW25.2 133.33,67.02 129.33,71.02
Net-(D26-Pad2): length 12.5
  Top w0.25: SW26.2 133.56,27.04 128.23,32.37 128.23,34.26
Net-(D27-Pad2): length 12.5
  Top w0.25: SW27.2 115.72,12.2 110.53,17.4 110.53,19.43
Net-(D29-Pad2): length 12.5
  Top w0.25: SW29.2 230.06,68.76 235.39,74.1 238.61,74.1
Net-(D30-Pad2): length 11.8
  Top w0.25: SW30.2 233.11,30.89 238.78,36.55
Net-(D31-Pad2): length 11.8
  Top w0.25: 256.49,21.72 250.82,16.05 SW31.2
Net-(D32-Pad2): length 12.7
  Top w0.25: 241.2,99.08 241.2,94.44 245.69,89.95 SW32.2
Net-(D33-Pad2): length 12.7
  Top w0.25: SW33.2 253.09,74.09 248.59,78.58 248.59,83.22
Net-(D34-Pad2): length 12.7
  Top w0.25: 255.99,67.36 255.99,62.72 260.48,58.22 SW34.2
Net-(D35-Pad2): length 11.9
  Top w0.25: SW35.2 261.82,33.45 268.03,39.66 269.04,39.66
Net-(D36-Pad2): length 11.7
  Top w0.25: 256.69,109.62 256.69,106.67 262.88,100.48 SW36.2
Net-(D37-Pad2): length 12.7
  Top w0.25: 264.09,93.76 264.09,89.12 268.59,84.62 SW37.2
Net-(D38-Pad2): length 12.7
  Top w0.25: SW38.2 275.98,68.76 271.49,73.26 271.49,77.9
Net-(D39-Pad2): length 12.4
  Top w0.25: SW39.2 295.66,34.29 290.39,39.56 290.39,42.85
Net-(D40-Pad2): length 12.7
  Top w0.25: 271.77,121.07 271.77,116.42 276.27,111.93 SW40.2
Net-(D41-Pad2): length 12.4
  Top w0.25: 279.17,105.21 279.17,101.16 284.26,96.07 SW41.2
Net-(D42-Pad2): length 12.7
  Top w0.25: 286.56,89.35 286.56,84.7 291.06,80.21 SW42.2
Net-(D43-Pad2): length 12.4
  Top w0.25: SW43.2 302.93,58.69 297.66,63.96 297.66,67.26
Net-(D44-Pad2): length 12.7
  Top w0.25: 290.65,124.35 290.65,119.71 295.15,115.21 SW44.2
Net-(D45-Pad2): length 12.1
  Top w0.25: 298.05,108.49 298.05,104.9 303.6,99.35 SW45.2
Net-(D46-Pad2): length 12.7
  Top w0.25: 305.44,92.63 305.44,87.99 309.94,83.49 SW46.2
Net-(D47-Pad2): length 12.4
  Top w0.25: 306.41,52.1 306.41,48.81 311.68,43.54 SW47.2
Net-(D48-Pad2): length 11.9
  Top w0.25: 315.69,123.73 315.69,119.46 SW48.2
Net-(D49-Pad2): length 11.9
  Top w0.25: SW49.2 321.68,103.02 321.68,107.29
Net-(D50-Pad2): length 11.9
  Top w0.25: 327.66,90.84 327.66,86.57 SW50.2
Net-(D51-Pad2): length 12.4
  Top w0.25: 322.44,61.35 322.44,58.06 327.7,52.79 SW51.2
Net-(D52-Pad2): length 11.9
  Top w0.25: 335.81,122.54 335.81,118.27 SW52.2
Net-(D53-Pad2): length 11.9
  Top w0.25: SW53.2 341.8,101.83 341.8,106.1
Net-(D54-Pad2): length 11.9
  Top w0.25: 347.78,89.65 347.78,85.38 SW54.2
Net-(SW55-Pad2): length 11.9
  Top w0.25: 349.99,70.51 349.99,66.24 SW55.2

## Copper pours and planes (outline as drawn; the poured copper is in the pictures)
GND on Top: 296.45,140.83 349.66,138.44 375.48,60.28 326.55,42.06 277.62,13.6 260.09,-6 199.88,42.23 167.95,42.06 151.64,29.22 110.25,-8.19 91.96,11 44.59,39.49 -7.28,59.28 18.5,135.13 58.38,141.13 93.76,137.83 139.94,109.05 184.61,116.24 228.09,109.05 246.98,124.94
GND on Bottom: 73.07,139.93 19.86,137.54 -5.96,59.38 42.97,41.16 91.9,12.7 109.43,-6.9 169.64,41.33 201.57,41.16 217.88,28.32 259.27,-9.09 277.56,10.1 324.93,38.59 376.8,58.38 351.02,134.23 311.14,140.23 275.76,136.93 229.58,108.15 184.91,115.34 141.43,108.15 122.54,124.04

## Text on the board
B.Silkscreen: SRCLK | SER | RCLK | RST | BAT+ | (c) 2022-2023 tubbytwins / CC BY-SA v4.0 | JLCJLCJLCJLC | V001
F.Silkscreen: CONTROLLER / FACE UP
